# Altium PCB PCB2.PcbDoc (part 2 of 2)
Units mm, origin at the board's own origin, x right, y up, seen from the top; angles counter-clockwise.
Board outline 121.9 x 82.3 mm, 2 copper layers (Top Layer, Bottom Layer); 260 components, 214 nets, 701 pads, 54 vias.
Unrouted connection lines stored in the file: 53.
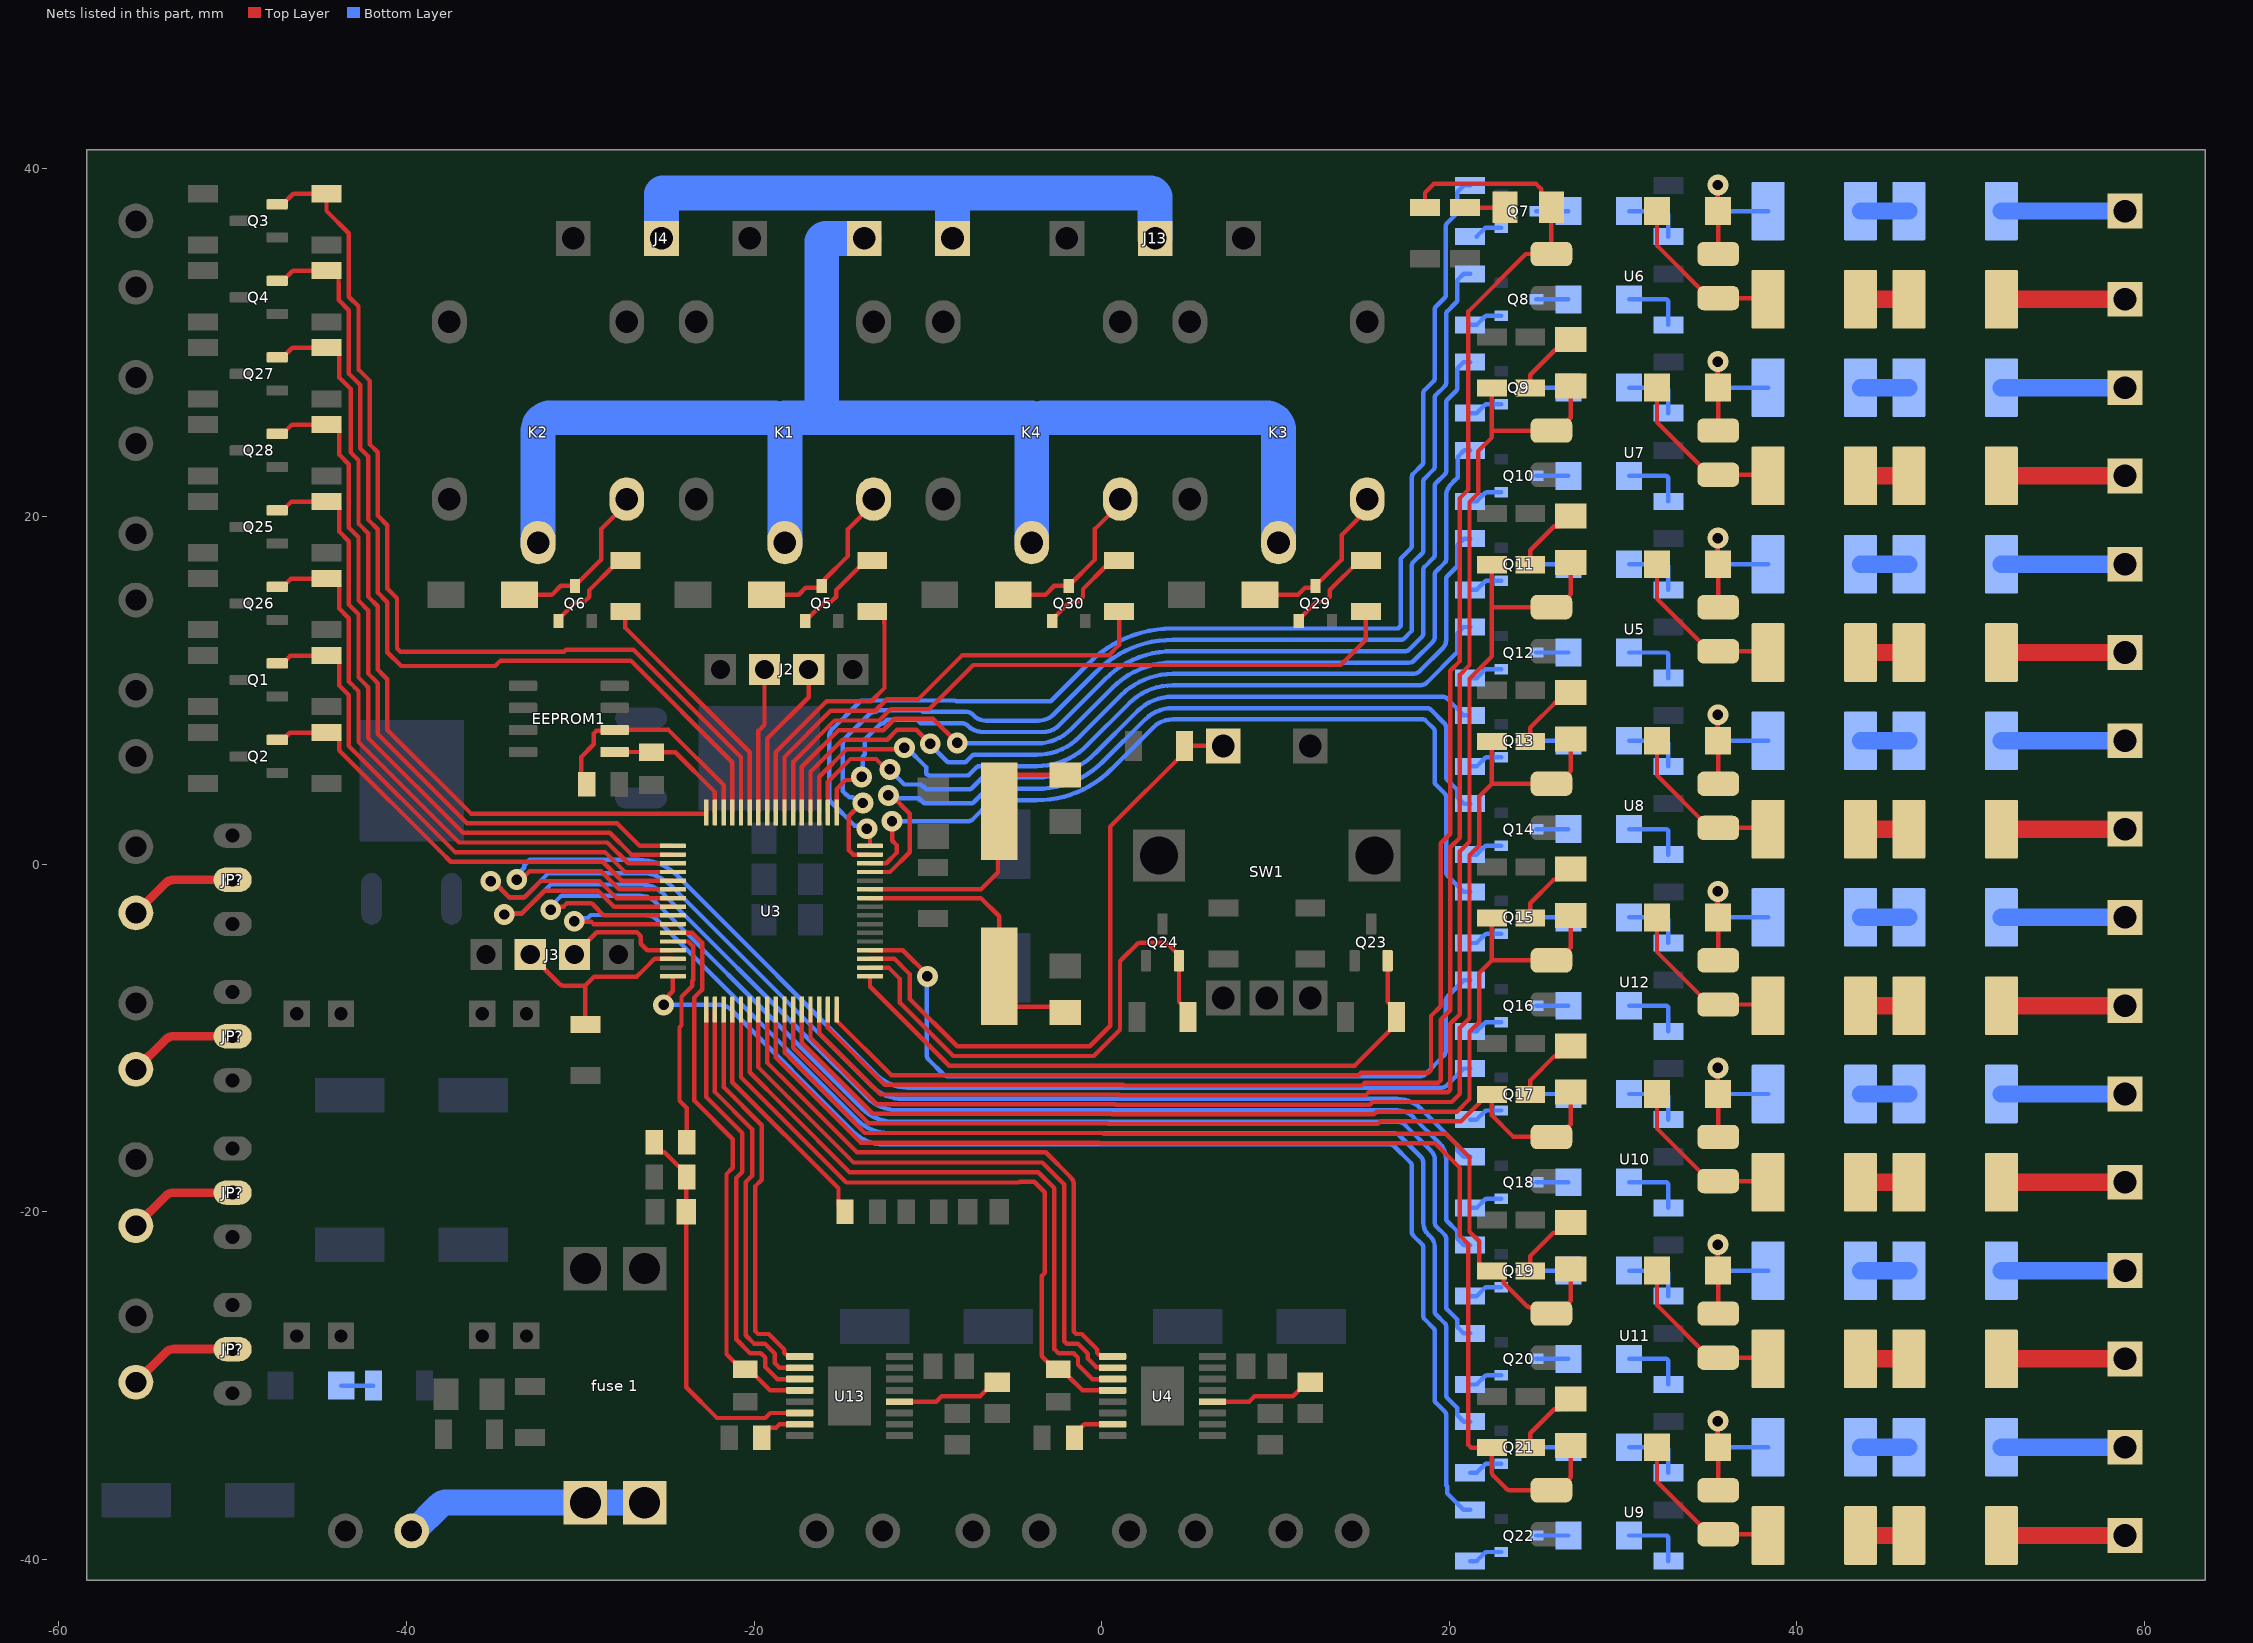
[diagram p2: the nets of this part, all layers, seen from the top]

## Via types
v1: diameter 1.2, hole 0.6, Top Layer to Bottom Layer, tented both sides, 50 vias
v2: diameter 1.2, hole 0.6, Top Layer to Bottom Layer, 4 vias

## Nets (pads, with @x,y where several pads share a name; then routed paths per layer and width w, separated by ;. In a path a pad name is that pad's centre, name@x,y a point inside that pad or via, vN(x,y) a via of type N, cw(c..) or ccw(c..) an arc to the next point about the centre after c; other vN are vias at no path point) (continued)
NetC17_1: C17.1 R69.2 | length 4
  Top Layer w0.254: R69.2@24.656,17.225 24.656,18.056 26.038,19.438 26.399,19.438 C17.1@26.992,20.031
NetC17_2: C17.2 R67.2 U3.62 U5.3 | length 77.1
  Top Layer w0.254: U3.62@-16.25,-8.37 -16.25,-9.709 -12.706,-13.253 1.002,-13.253 1.036,-13.287 15.203,-13.287 15.36,-13.13 19.904,-13.13 20.055,-12.979 20.055,-9.189 20.609,-8.635 20.609,0.741 21.163,1.295 21.163,10.672 22.45,11.959 22.45,14.785 ; R67.2@22.45,17.225 22.45,14.785 ; C17.2@26.992,17.359 26.992,15.627 cw(c26.74,15.627) 26.918,15.449 26.328,14.859 cw(c26.15,15.037) 26.15,14.785 U5.3@25.875,14.785 22.45,14.785
NetC18_1: C18.1 R70.2 | length 2.3
  Top Layer w0.254: R70.2@20.9,37.77 23.17,37.77 C18.1@23.2,37.8
NetC18_2: C18.2 R68.2 U3.64 U6.3 | length 98.8
  Top Layer w0.254: U3.64@-15.25,-8.37 -15.25,-8.993 -12.098,-12.145 -9.005,-12.145 14.778,-12.145 14.918,-12.005 18.798,-12.005 18.947,-11.856 18.947,-8.73 19.501,-8.176 19.501,1.2 20.055,1.754 20.055,11.131 20.609,11.685 20.609,21.061 21.1,21.552 21.1,31.8 24.405,35.105 U6.3@25.875,35.105 25.875,37.797 C18.2@25.872,37.8 25.279,38.393 25.279,38.851 24.993,39.137 19.112,39.137 18.6,38.625 R68.2@18.6,37.77
NetC19_1: C19.1 R81.2 | length 3.9
  Top Layer w0.254: R81.2@24.656,27.385 24.656,28.156 26.098,29.598 26.399,29.598 C19.1@26.992,30.191
NetC19_2: C19.2 R79.2 U3.63 U7.3 | length 85.1
  Top Layer w0.254: U3.63@-15.75,-8.37 -15.75,-9.426 -12.477,-12.699 1.232,-12.699 1.266,-12.733 14.974,-12.733 15.131,-12.576 19.352,-12.576 19.501,-12.427 19.501,-8.96 20.055,-8.406 20.055,0.971 20.609,1.525 20.609,10.901 21.163,11.455 21.163,20.832 21.654,21.323 21.654,23.754 22.45,24.55 22.45,24.945 ; R79.2@22.45,27.385 22.45,24.945 ; U7.3@25.875,24.945 22.45,24.945 ; U7.3@26.254,24.945 26.992,25.683 C19.2@26.992,27.519
NetC20_1: C20.1 R82.2 | length 4
  Top Layer w0.254: R82.2@24.656,7.065 24.656,7.856 26.078,9.278 26.399,9.278 C20.1@26.992,9.871
NetC20_2: C20.2 R80.2 U3.61 U8.3 | length 68.6
  Top Layer w0.254: U3.61@-16.75,-8.37 -16.75,-9.993 -12.936,-13.807 0.773,-13.807 0.807,-13.841 15.433,-13.841 15.578,-13.696 cw(c15.607,-13.726) 15.607,-13.684 20.136,-13.684 20.609,-13.211 20.609,-9.419 21.163,-8.865 21.163,0.512 21.717,1.066 21.717,3.892 22.45,4.625 ; R80.2@22.45,7.065 22.45,4.625 ; C20.2@26.992,7.199 26.992,5.363 26.254,4.625 U8.3@25.875,4.625 22.45,4.625
NetC21_1: C21.1 R93.2 | length 4
  Top Layer w0.254: R93.2@24.656,-33.575 24.656,-32.744 26.038,-31.362 26.399,-31.362 C21.1@26.992,-30.769
NetC21_2: C21.2 R91.2 U3.57 U9.3 | length 70.8
  Top Layer w0.254: U3.57@-18.75,-8.37 -18.75,-11.126 -17.536,-12.341 -13.853,-16.023 -0.145,-16.023 -0.111,-16.057 19.182,-16.057 20.609,-17.484 20.609,-21.371 21.1,-21.862 21.1,-33.419 21.256,-33.575 22.331,-33.575 cw(c22.331,-33.694) 22.45,-33.694 22.45,-34.97 ccw(c22.763,-34.97) 22.542,-35.191 23.274,-35.923 ccw(c23.495,-35.702) 23.495,-36.015 U9.3@25.875,-36.015 26.15,-36.015 ccw(c26.15,-35.763) 26.328,-35.941 26.918,-35.351 ccw(c26.74,-35.173) 26.992,-35.173 C21.2@26.992,-33.441
NetC22_1: C22.1 R94.2 | length 4
  Top Layer w0.254: R94.2@24.656,-13.255 24.656,-12.444 26.058,-11.042 26.399,-11.042 C22.1@26.992,-10.449
NetC22_2: C22.2 R92.2 U3.59 U10.3 | length 53.4
  Top Layer w0.254: U3.59@-17.75,-8.37 -17.75,-10.559 -13.394,-14.915 0.314,-14.915 0.348,-14.949 15.892,-14.949 16.049,-14.792 20.672,-14.792 21.717,-13.747 21.717,-13.618 22.08,-13.255 R92.2@22.45,-13.255 22.45,-14.45 23.695,-15.695 26.254,-15.695 26.992,-14.957 C22.2@26.992,-13.121
NetC23_1: C23.1 R105.2 | length 4
  Top Layer w0.254: R105.2@24.656,-23.415 24.656,-22.544 25.998,-21.202 26.399,-21.202 C23.1@26.992,-20.609
NetC23_2: C23.2 R103.2 U3.58 U11.3 | length 59.5
  Top Layer w0.254: U3.58@-18.25,-8.37 -18.25,-10.843 -17.699,-11.394 -17.543,-11.55 -13.624,-15.469 0.084,-15.469 0.118,-15.503 19.803,-15.503 21.163,-16.863 21.163,-21.142 21.717,-21.696 21.717,-23.052 22.08,-23.415 22.777,-23.415 23.14,-23.778 23.14,-24.073 ccw(c23.219,-24.073) 23.164,-24.129 24.45,-25.415 ccw(c24.618,-25.247) 24.618,-25.485 25.452,-25.485 cw(c25.452,-25.611) 25.542,-25.522 25.848,-25.828 ccw(c25.913,-25.763) 25.913,-25.855 26.216,-25.855 ccw(c26.216,-25.763) 26.281,-25.828 26.918,-25.191 ccw(c26.74,-25.013) 26.992,-25.013 C23.2@26.992,-23.281
NetC24_1: C24.1 R106.2 | length 4
  Top Layer w0.254: R106.2@24.656,-3.095 24.656,-2.244 26.018,-0.882 26.399,-0.882 C24.1@26.992,-0.289
NetC24_2: C24.2 R104.2 U3.60 U12.3 | length 60
  Top Layer w0.254: U3.60@-17.25,-8.37 -17.25,-10.276 -13.165,-14.361 0.543,-14.361 0.577,-14.395 15.662,-14.395 15.819,-14.238 20.443,-14.238 21.163,-13.518 21.163,-9.648 21.717,-9.094 21.717,-6.268 22.45,-5.535 ; R104.2@22.45,-3.095 22.45,-5.535 ; C24.2@26.992,-2.961 26.992,-4.797 26.254,-5.535 U12.3@25.875,-5.535 22.45,-5.535
NetC25_2: C25.2 R111.1 R113.2 U13.6 | length 22.5
  Top Layer w0.254: R111.1@-25.735,-16 -25.735,-16.21 -25.362,-16.583 -25.152,-16.583 -24.318,-17.417 -24.238,-17.417 -23.865,-17.79 R113.2@-23.865,-18 -23.9,-18 C25.2@-23.9,-20 -23.9,-30.1 -22.137,-31.863 -19.363,-31.863 -19.075,-31.575 U13.6@-17.37,-31.575
NetD1_2: D1.2 R1.1 | length 1.9
  Bottom Layer w0.254: D1.2@-43.75,-30 R1.1@-41.9,-30
NetD2_A: D2.A K1.5 Q5.3 | length 9.6
  Top Layer w0.254: D2.A@-19.285,15.5 -17.431,15.5 -17.021,15.91 -16.2,15.91 -15.927,16.183 -15.927,16.398 -14.6,17.725 -14.6,19.275 -13.125,20.75 K1.5@-13.125,21
NetD3_A: D3.A K2.5 Q6.3 | length 9.6
  Top Layer w0.254: D3.A@-33.485,15.5 -31.631,15.5 -31.121,16.01 Q6.3@-30.3,16.01 -28.787,17.523 -28.787,19.288 -27.325,20.75 K2.5@-27.325,21
NetD4_1: D4.1 Q7.3 | length 1.8
  Bottom Layer w0.254: Q7.3@25.01,37.575 D4.1@26.85,37.575
NetD4_2: D4.2 R22.1 | length 3.6
  Bottom Layer w0.254: D4.2@30.35,37.575 32.382,37.575 cw(c32.382,37.51) 32.428,37.556 32.581,37.403 cw(c32.535,37.357) 32.6,37.357 R22.1@32.6,36.105
NetD5_1: D5.1 Q8.3 | length 1.8
  Bottom Layer w0.254: Q8.3@25.01,32.495 D5.1@26.85,32.495
NetD5_2: D5.2 R23.1 | length 3.7
  Bottom Layer w0.254: D5.2@30.35,32.495 32.453,32.495 cw(c32.453,32.348) 32.6,32.348 R23.1@32.6,31.025
NetD6_1: D6.1 Q9.3 | length 1.8
  Bottom Layer w0.254: Q9.3@25.01,27.415 D6.1@26.85,27.415
NetD6_2: D6.2 R24.1 | length 3.7
  Bottom Layer w0.254: D6.2@30.35,27.415 32.453,27.415 cw(c32.453,27.268) 32.6,27.268 R24.1@32.6,25.945
NetD7_1: D7.1 Q10.3 | length 1.8
  Bottom Layer w0.254: Q10.3@25.01,22.335 D7.1@26.85,22.335
NetD7_2: D7.2 R25.1 | length 3.7
  Bottom Layer w0.254: D7.2@30.35,22.335 32.453,22.335 cw(c32.453,22.188) 32.6,22.188 R25.1@32.6,20.865
NetD8_1: D8.1 Q11.3 | length 1.8
  Bottom Layer w0.254: Q11.3@25.01,17.255 D8.1@26.85,17.255
NetD8_2: D8.2 R26.1 | length 3.7
  Bottom Layer w0.254: D8.2@30.35,17.255 32.453,17.255 cw(c32.453,17.108) 32.6,17.108 R26.1@32.6,15.785
NetD9_1: D9.1 Q12.3 | length 1.8
  Bottom Layer w0.254: Q12.3@25.01,12.175 D9.1@26.85,12.175
NetD9_2: D9.2 R27.1 | length 3.7
  Bottom Layer w0.254: D9.2@30.35,12.175 32.453,12.175 cw(c32.453,12.028) 32.6,12.028 R27.1@32.6,10.705
NetD10_1: D10.1 Q13.3 | length 1.8
  Bottom Layer w0.254: Q13.3@25.01,7.095 D10.1@26.85,7.095
NetD10_2: D10.2 R28.1 | length 3.7
  Bottom Layer w0.254: D10.2@30.35,7.095 32.453,7.095 cw(c32.453,6.948) 32.6,6.948 R28.1@32.6,5.625
NetD11_1: D11.1 Q14.3 | length 1.8
  Bottom Layer w0.254: Q14.3@25.01,2.015 D11.1@26.85,2.015
NetD11_2: D11.2 R29.1 | length 3.7
  Bottom Layer w0.254: D11.2@30.35,2.015 32.453,2.015 cw(c32.453,1.868) 32.6,1.868 R29.1@32.6,0.545
NetD12_1: D12.1 Q15.3 | length 1.8
  Bottom Layer w0.254: Q15.3@25.01,-3.065 D12.1@26.85,-3.065
NetD12_2: D12.2 R38.1 | length 3.7
  Bottom Layer w0.254: D12.2@30.35,-3.065 32.453,-3.065 cw(c32.453,-3.212) 32.6,-3.212 R38.1@32.6,-4.535
NetD13_1: D13.1 Q16.3 | length 1.8
  Bottom Layer w0.254: Q16.3@25.01,-8.145 D13.1@26.85,-8.145
NetD13_2: D13.2 R39.1 | length 3.7
  Bottom Layer w0.254: D13.2@30.35,-8.145 32.453,-8.145 cw(c32.453,-8.292) 32.6,-8.292 R39.1@32.6,-9.615
NetD14_1: D14.1 Q17.3 | length 1.8
  Bottom Layer w0.254: Q17.3@25.01,-13.225 D14.1@26.85,-13.225
NetD14_2: D14.2 R40.1 | length 3.7
  Bottom Layer w0.254: D14.2@30.35,-13.225 32.453,-13.225 cw(c32.453,-13.372) 32.6,-13.372 R40.1@32.6,-14.695
NetD15_1: D15.1 Q18.3 | length 1.8
  Bottom Layer w0.254: Q18.3@25.01,-18.305 D15.1@26.85,-18.305
NetD15_2: D15.2 R41.1 | length 3.7
  Bottom Layer w0.254: D15.2@30.35,-18.305 32.453,-18.305 cw(c32.453,-18.452) 32.6,-18.452 R41.1@32.6,-19.775
NetD16_1: D16.1 Q19.3 | length 1.8
  Bottom Layer w0.254: Q19.3@25.01,-23.385 D16.1@26.85,-23.385
NetD16_2: D16.2 R42.1 | length 3.7
  Bottom Layer w0.254: D16.2@30.35,-23.385 32.453,-23.385 cw(c32.453,-23.532) 32.6,-23.532 R42.1@32.6,-24.855
NetD17_1: D17.1 Q20.3 | length 1.8
  Bottom Layer w0.254: Q20.3@25.01,-28.465 D17.1@26.85,-28.465
NetD17_2: D17.2 R43.1 | length 3.7
  Bottom Layer w0.254: D17.2@30.35,-28.465 32.453,-28.465 cw(c32.453,-28.612) 32.6,-28.612 R43.1@32.6,-29.935
NetD18_1: D18.1 Q21.3 | length 1.8
  Bottom Layer w0.254: Q21.3@25.01,-33.545 D18.1@26.85,-33.545
NetD18_2: D18.2 R44.1 | length 3.7
  Bottom Layer w0.254: D18.2@30.35,-33.545 32.453,-33.545 cw(c32.453,-33.692) 32.6,-33.692 R44.1@32.6,-35.015
NetD19_1: D19.1 Q22.3 | length 1.8
  Bottom Layer w0.254: Q22.3@25.01,-38.625 D19.1@26.85,-38.625
NetD19_2: D19.2 R45.1 | length 3.7
  Bottom Layer w0.254: D19.2@30.35,-38.625 32.453,-38.625 cw(c32.453,-38.772) 32.6,-38.772 R45.1@32.6,-40.095
NetD20_1: D20.1 R60.2 U5.1 | length 9.7
  Top Layer w0.254: D20.1@31.95,17.255 31.95,15.27 34.975,12.245 U5.1@35.475,12.245 38.27,12.245 R60.2@38.34,12.175
NetD20_2: D20.2 R64.2 U5.2 | length 8.3
  Top Layer w0.254: v1(35.45,18.755) D20.2@35.45,17.255 35.475,17.23 U5.2@35.475,14.785
  Bottom Layer w0.254: v1(35.45,18.755) 35.45,17.405 ccw(c35.6,17.405) 35.6,17.255 R64.2@38.34,17.255
NetD21_1: D21.1 R62.2 U6.1 | length 9.7
  Top Layer w0.254: D21.1@31.95,37.575 31.95,35.59 34.975,32.565 U6.1@35.475,32.565 38.27,32.565 R62.2@38.34,32.495
NetD21_2: D21.2 R66.2 U6.2 | length 8.3
  Top Layer w0.254: v1(35.45,39.075) D21.2@35.45,37.575 35.475,37.55 U6.2@35.475,35.105
  Bottom Layer w0.254: v1(35.45,39.075) 35.45,37.725 ccw(c35.6,37.725) 35.6,37.575 R66.2@38.34,37.575
NetD22_1: D22.1 R72.2 U7.1 | length 9.7
  Top Layer w0.254: D22.1@31.95,27.415 31.95,25.43 34.975,22.405 U7.1@35.475,22.405 38.27,22.405 R72.2@38.34,22.335
NetD22_2: D22.2 R76.2 U7.2 | length 8.3
  Top Layer w0.254: v1(35.45,28.915) D22.2@35.45,27.415 35.475,27.39 U7.2@35.475,24.945
  Bottom Layer w0.254: v1(35.45,28.915) 35.45,27.565 ccw(c35.6,27.565) 35.6,27.415 R76.2@38.34,27.415
NetD23_1: D23.1 R74.2 U8.1 | length 9.7
  Top Layer w0.254: D23.1@31.95,7.095 31.95,5.11 34.975,2.085 U8.1@35.475,2.085 38.27,2.085 R74.2@38.34,2.015
NetD23_2: D23.2 R78.2 U8.2 | length 8.3
  Top Layer w0.254: v1(35.45,8.595) D23.2@35.45,7.095 35.475,7.07 U8.2@35.475,4.625
  Bottom Layer w0.254: v1(35.45,8.595) 35.45,7.245 ccw(c35.6,7.245) 35.6,7.095 R78.2@38.34,7.095
NetD24_1: D24.1 R84.2 U9.1 | length 9.7
  Top Layer w0.254: D24.1@31.95,-33.545 31.95,-35.53 34.975,-38.555 U9.1@35.475,-38.555 38.27,-38.555 R84.2@38.34,-38.625
NetD24_2: D24.2 R88.2 U9.2 | length 8.3
  Top Layer w0.254: v1(35.45,-32.045) D24.2@35.45,-33.545 35.475,-33.57 U9.2@35.475,-36.015
  Bottom Layer w0.254: v1(35.45,-32.045) 35.45,-33.395 ccw(c35.6,-33.395) 35.6,-33.545 R88.2@38.34,-33.545
NetD25_1: D25.1 R86.2 U10.1 | length 9.7
  Top Layer w0.254: D25.1@31.95,-13.225 31.95,-15.21 34.975,-18.235 U10.1@35.475,-18.235 38.27,-18.235 R86.2@38.34,-18.305
NetD25_2: D25.2 R90.2 U10.2 | length 8.3
  Top Layer w0.254: v1(35.45,-11.725) D25.2@35.45,-13.225 35.475,-13.25 U10.2@35.475,-15.695
  Bottom Layer w0.254: v1(35.45,-11.725) 35.45,-13.075 ccw(c35.6,-13.075) 35.6,-13.225 R90.2@38.34,-13.225
NetD26_1: D26.1 R96.2 U11.1 | length 9.7
  Top Layer w0.254: D26.1@31.95,-23.385 31.95,-25.37 34.975,-28.395 U11.1@35.475,-28.395 38.27,-28.395 R96.2@38.34,-28.465
NetD26_2: D26.2 R100.2 U11.2 | length 8.3
  Top Layer w0.254: v1(35.45,-21.885) D26.2@35.45,-23.385 35.475,-23.41 U11.2@35.475,-25.855
  Bottom Layer w0.254: v1(35.45,-21.885) 35.45,-23.235 ccw(c35.6,-23.235) 35.6,-23.385 R100.2@38.34,-23.385
NetD27_1: D27.1 R98.2 U12.1 | length 9.7
  Top Layer w0.254: D27.1@31.95,-3.065 31.95,-5.05 34.975,-8.075 U12.1@35.475,-8.075 38.27,-8.075 R98.2@38.34,-8.145
NetD27_2: D27.2 R102.2 U12.2 | length 8.3
  Top Layer w0.254: v1(35.45,-1.565) D27.2@35.45,-3.065 35.475,-3.09 U12.2@35.475,-5.535
  Bottom Layer w0.254: v1(35.45,-1.565) 35.45,-2.915 ccw(c35.6,-2.915) 35.6,-3.065 R102.2@38.34,-3.065
NetD28_A: D28.A K3.5 Q29.3 | length 9.6
  Top Layer w0.254: D28.A@9.115,15.5 11.3,15.5 11.71,15.91 12.2,15.91 13.813,17.523 13.813,18.941 15.275,20.403 K3.5@15.275,21
NetD29_A: D29.A K4.5 Q30.3 | length 9.6
  Top Layer w0.254: D29.A@-5.085,15.5 -3.231,15.5 -2.721,16.01 Q30.3@-1.9,16.01 -0.387,17.523 -0.387,19.288 1.075,20.75 K4.5@1.075,21
"Netfuse 1_1": "fuse 1.1" P1.2 | length 14
  Bottom Layer w1.5: P1.2@-39.7,-38.365 -39.578,-38.365 ccw(c-39.578,-38.332) -39.555,-38.355 -38.098,-36.898 cw(c-37.704,-37.292) -37.704,-36.735 -29.7,-36.735 -26.3,-36.735
NetJ1_1: J1.1 K1.1 K2.1 K3.1 K4.1 | length 82.6
  Bottom Layer w2: K2.1@-32.425,18.5 -32.425,24.961 cw(c-31.707,24.961) -31.707,25.679 -18.943,25.679 cw(c-18.943,24.961) -18.225,24.961 K1.1@-18.225,18.5 ; -18.225,25.679 -16.316,25.679 ccw(c-16.316,25.892) -16.104,25.892 -16.104,35.756 cw(c-15.86,35.756) -15.86,36 J1.1@-13.665,36 ; -16.104,25.679 -4.025,25.679 ; K4.1@-4.025,18.5 -4.025,24.961 cw(c-3.307,24.961) -3.307,25.679 9.457,25.679 cw(c9.457,24.961) 10.175,24.961 K3.1@10.175,18.5
NetJ1_2: J1.2 J4.02 J13.02 | length 36
  Bottom Layer w2: J4.02@-25.325,36 -25.325,38.541 cw(c-25.305,38.541) -25.319,38.555 -25.272,38.602 cw(c-25.258,38.588) -25.258,38.608 -8.585,38.608 ; J1.2@-8.585,36 -8.585,38.347 cw(c-8.324,38.347) -8.324,38.608 2.814,38.608 cw(c2.814,38.347) 3.075,38.347 J13.02@3.075,36
NetJ5_1: J5.1 R63.1 | length 7.1
  Bottom Layer w1: R63.1@51.76,17.255 J5.1@58.875,17.255
NetJ5_2: J5.2 R59.1 | length 7.1
  Top Layer w1: R59.1@51.76,12.175 J5.2@58.875,12.175
NetJ6_1: J6.1 R65.1 | length 7.1
  Bottom Layer w1: R65.1@51.76,37.575 J6.1@58.875,37.575
NetJ6_2: J6.2 R61.1 | length 7.1
  Top Layer w1: R61.1@51.76,32.495 J6.2@58.875,32.495
NetJ7_1: J7.1 R75.1 | length 7.1
  Bottom Layer w1: R75.1@51.76,27.415 J7.1@58.875,27.415
NetJ7_2: J7.2 R71.1 | length 7.1
  Top Layer w1: R71.1@51.76,22.335 J7.2@58.875,22.335
NetJ8_1: J8.1 R77.1 | length 7.1
  Bottom Layer w1: R77.1@51.76,7.095 J8.1@58.875,7.095
NetJ8_2: J8.2 R73.1 | length 7.1
  Top Layer w1: R73.1@51.76,2.015 J8.2@58.875,2.015
NetJ9_1: J9.1 R87.1 | length 7.1
  Bottom Layer w1: R87.1@51.76,-33.545 J9.1@58.875,-33.545
NetJ9_2: J9.2 R83.1 | length 7.1
  Top Layer w1: R83.1@51.76,-38.625 J9.2@58.875,-38.625
NetJ10_1: J10.1 R89.1 | length 7.1
  Bottom Layer w1: R89.1@51.76,-13.225 J10.1@58.875,-13.225
NetJ10_2: J10.2 R85.1 | length 7.1
  Top Layer w1: R85.1@51.76,-18.305 J10.2@58.875,-18.305
NetJ11_1: J11.1 R99.1 | length 7.1
  Bottom Layer w1: R99.1@51.76,-23.385 J11.1@58.875,-23.385
NetJ11_2: J11.2 R95.1 | length 7.1
  Top Layer w1: R95.1@51.76,-28.465 J11.2@58.875,-28.465
NetJ12_1: J12.1 R101.1 | length 7.1
  Bottom Layer w1: R101.1@51.76,-3.065 J12.1@58.875,-3.065
NetJ12_2: J12.2 R97.1 | length 7.1
  Top Layer w1: R97.1@51.76,-8.145 J12.2@58.875,-8.145
NetQ1_2: Q1.2 R10.1 U3.36 | length 30.4
  Top Layer w0.254: Q1.2@-47.44,11.546 -47.156,11.546 ccw(c-47.156,11.622) -47.103,11.569 -46.718,11.953 cw(c-46.609,11.844) -46.609,11.999 R10.1@-44.766,11.999 ; R10.1@-44.6,11.999 -44.23,11.999 -43.867,11.636 -43.867,10.279 -43.516,9.928 -43.313,9.725 -43.313,6.804 -37.202,0.693 -28.574,0.693 -27.431,-0.45 U3.36@-24.67,-0.45
NetQ2_2: Q2.2 R11.1 U3.37 | length 26.8
  Top Layer w0.254: Q2.2@-47.44,7.145 -47.156,7.145 ccw(c-47.156,7.221) -47.103,7.167 -46.742,7.527 cw(c-46.64,7.425) -46.64,7.57 -44.23,7.57 -43.867,7.207 -43.867,6.615 ccw(c-43.708,6.615) -43.821,6.503 -38.075,0.758 -37.456,0.139 -28.708,0.139 -27.619,-0.95 U3.37@-24.67,-0.95
NetQ3_2: Q3.2 R18.1 U3.28 | length 56.4
  Top Layer w0.254: Q3.2@-47.44,37.955 -47.156,37.955 ccw(c-47.156,38.031) -47.103,37.977 -46.571,38.508 cw(c-46.423,38.36) -46.423,38.57 R18.1@-44.791,38.57 ; R18.1@-44.6,38.57 -44.6,37.584 -43.313,36.297 -43.313,32.652 -42.759,32.098 -42.759,28.453 -42.1,27.794 -42.1,24.149 -41.651,23.7 -41.651,20.054 -41.097,19.5 -41.097,15.855 -40.543,15.301 -40.543,12.422 -40.34,12.219 -30.937,12.219 -30.818,12.338 -26.937,12.338 -20.75,6.151 U3.28@-20.75,2.97
NetQ4_2: Q4.2 R19.1 U3.29 | length 52.3
  Top Layer w0.254: Q4.2@-47.44,33.554 -47.156,33.554 ccw(c-47.156,33.63) -47.103,33.576 -46.596,34.083 cw(c-46.454,33.941) -46.454,34.141 -44.273,34.141 -43.91,33.778 -43.91,33.451 -43.9,33.441 -43.9,32.455 -43.313,31.868 -43.313,28.223 -42.654,27.564 -42.654,23.919 -42.205,23.47 -42.205,19.825 -41.651,19.271 -41.651,15.626 -41.097,15.072 -41.097,12.192 -40.305,11.4 -34.896,11.4 -34.585,11.711 -27.094,11.711 -21.25,5.867 U3.29@-21.25,2.97
NetQ5_1: Q5.1 R20.1 | length 5.6
  Top Layer w0.254: Q5.1@-17.05,13.99 -17.05,14.09 -16.877,14.263 -16.777,14.263 -15.957,15.083 -15.582,15.083 -15.273,15.392 -15.273,15.767 -13.57,17.47 R20.1@-13.2,17.47
NetQ6_1: Q6.1 R21.1 | length 5.5
  Top Layer w0.254: Q6.1@-31.236,14.104 -30.257,15.083 -29.782,15.083 -29.473,15.392 -29.473,15.767 -28.133,17.107 -27.77,17.47 R21.1@-27.4,17.47
NetQ7_1: Q7.1 R30.1 | length 1.6
  Bottom Layer w0.254: R30.1@21.57,36.105 22.038,36.573 cw(c22.164,36.447) 22.164,36.625 Q7.1@22.99,36.625
NetQ8_1: Q8.1 R31.1 | length 2
  Bottom Layer w0.254: R31.1@21.2,31.025 21.533,31.025 ccw(c21.533,31.114) 21.596,31.051 22.038,31.493 cw(c22.164,31.367) 22.164,31.545 Q8.1@22.99,31.545
NetQ9_1: Q9.1 R32.1 | length 2
  Bottom Layer w0.254: R32.1@21.2,25.945 21.533,25.945 ccw(c21.533,26.034) 21.596,25.971 22.038,26.413 cw(c22.164,26.287) 22.164,26.465 Q9.1@22.99,26.465
NetQ10_1: Q10.1 R33.1 | length 2
  Bottom Layer w0.254: R33.1@21.2,20.865 21.533,20.865 ccw(c21.533,20.954) 21.596,20.891 22.038,21.333 cw(c22.164,21.207) 22.164,21.385 Q10.1@22.99,21.385
NetQ11_1: Q11.1 R34.1 | length 2
  Bottom Layer w0.254: R34.1@21.2,15.785 21.533,15.785 ccw(c21.533,15.874) 21.596,15.811 22.038,16.253 cw(c22.164,16.127) 22.164,16.305 Q11.1@22.99,16.305
NetQ12_1: Q12.1 R35.1 | length 2
  Bottom Layer w0.254: R35.1@21.2,10.705 21.533,10.705 ccw(c21.533,10.794) 21.596,10.731 22.038,11.173 cw(c22.164,11.047) 22.164,11.225 Q12.1@22.99,11.225
NetQ13_1: Q13.1 R36.1 | length 2
  Bottom Layer w0.254: R36.1@21.2,5.625 21.533,5.625 ccw(c21.533,5.714) 21.596,5.651 22.038,6.093 cw(c22.164,5.967) 22.164,6.145 Q13.1@22.99,6.145
NetQ14_1: Q14.1 R37.1 | length 2